# Altium PCB GameBoard_V1I1_Phase1.PcbDoc (part 10 of 18)
Units mm, origin at the board's own origin, x right, y up, seen from the top; angles counter-clockwise.
Board outline 182 x 70.2 mm, 12 copper layers (L1, L2, L3, L4, L5 (PWR), L6 (PWR), L7 (PWR), L8 (PWR), L9, L10, L11, L12), stack 2.079 mm thick; 1542 components, 1068 nets, 5447 pads, 3805 vias.
Unrouted connection lines stored in the file: 2.
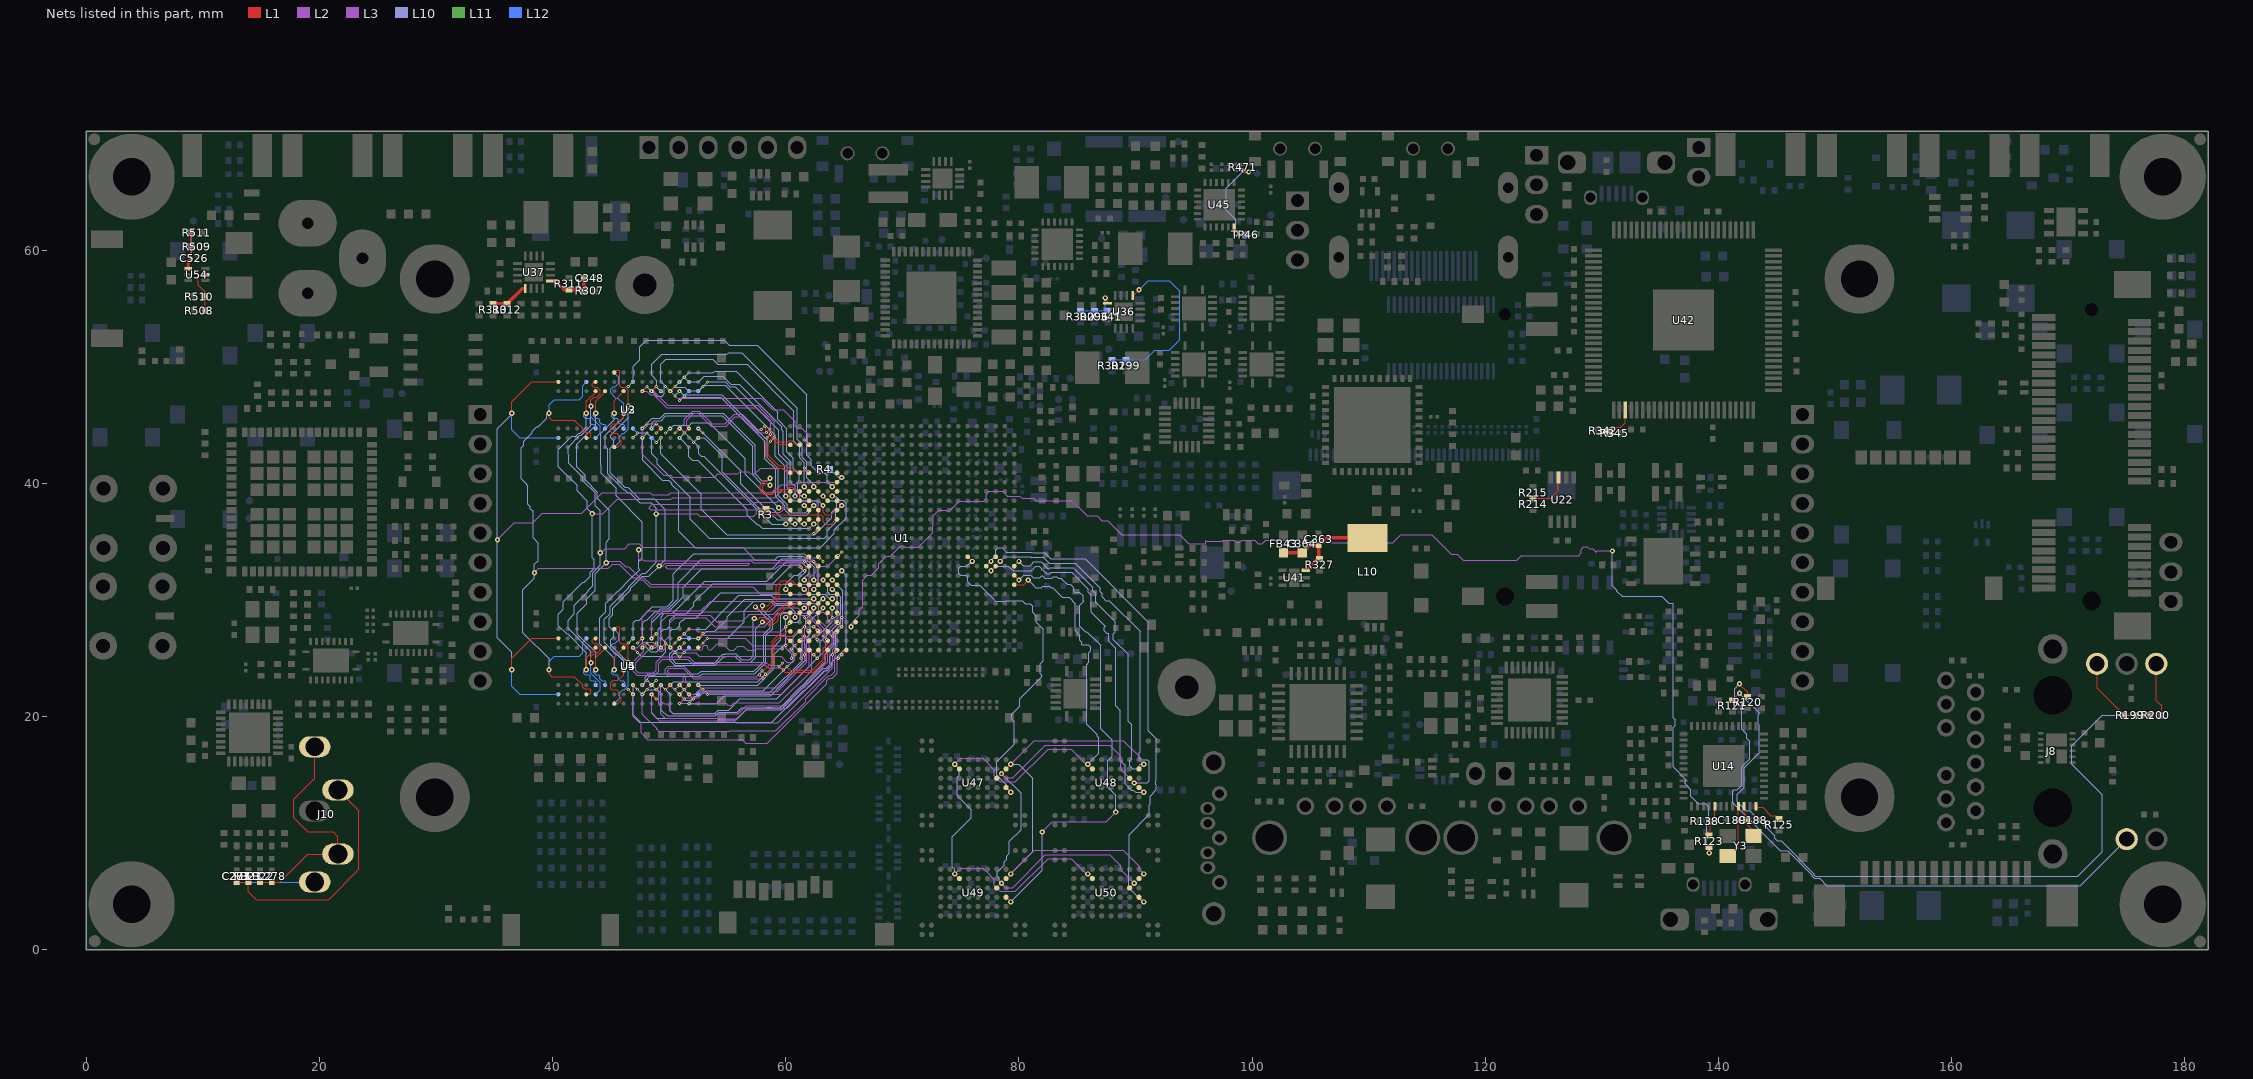
[diagram p20: the nets of this part, all layers, seen from the top]

## Via types
v1: diameter 0.45, hole 0.2, L1 to L12, 1937 vias
v2: diameter 0.45, hole 0.2, L1 to L12, tented both sides, 1004 vias
v3: diameter 0.27, hole 0.1, L1 to L2, 337 vias
v4: diameter 0.27, hole 0.1, L2 to L3, 335 vias
v5: diameter 0.27, hole 0.1, L10 to L11, 96 vias
v6: diameter 0.27, hole 0.1, L11 to L12, 94 vias
v7: diameter 0.27, hole 0.1, L3 to L5 (PWR), 2 vias

## Nets (pads, with @x,y where several pads share a name; then routed paths per layer and width w, separated by ;. In a path a pad name is that pad's centre, name@x,y a point inside that pad or via, vN(x,y) a via of type N, cw(c..) or ccw(c..) an arc to the next point about the centre after c; other vN are vias at no path point) (continued)
DRAM_D19: U1.Y9 U3.H3 | length 27.7
  L1 w0.093: U1.Y9@64.4,38.5 v2(64.8,38.1)
  L10 w0.093: v5(46.9,43.9) 47.35,44.35 48.075,44.35 48.528,43.897 48.528,42.546 49,42.075 49,41.625 51.813,38.813 51.813,36.913 53.45,35.275 63.3,35.275 63.571,35.546 63.571,35.921 64.3,36.65 64.3,37.6 v2(64.8,38.1)
  L11 w0.1: v5(46.9,43.9) v6(47.3,44.3)
  L12 w0.093: U3.H3@46.9,44.7 v6(47.3,44.3)
DRAM_D20: U1.Y7 U3.H8 | length 30.6
  L1 w0.093: v2(64,39.7) U1.Y7@64.4,40.1
  L10 w0.093: v5(46.9,48.7) 46.928,48.729 46.928,49.254 47,49.325 47,49.603 46.928,49.675 46.928,50.054 47.475,50.6 47.475,51.7 48.05,52.275 54.723,52.275 55.177,51.821 57.579,51.821 61.8,47.6 61.8,42.4 62.2,42 62.2,41.5 62.828,40.872 63.354,40.872 63.571,40.654 63.571,40.129 v2(64,39.7)
  L11 w0.1: v6(46.5,48.3) v5(46.9,48.7)
  L12 w0.093: v6(46.5,48.3) v5(46.9,48.7)
DRAM_D21: U1.Y8 U3.G2 | length 30.2
  L1 w0.093: v2(64,38.9) U1.Y8@64.4,39.3
  L10 w0.093: v5(47.7,43.9) 47.728,43.871 47.728,41.972 49.429,40.271 49.979,40.271 50.247,40.004 50.247,39.878 50.825,39.3 50.825,35.9 52.25,34.475 62.95,34.475 64.175,35.7 64.175,36 65.172,36.997 65.172,38.254 64.897,38.529 64.646,38.529 64.325,38.85 64.05,38.85 v2(64,38.9)
  L11 w0.1: v5(47.7,43.9) v6(48.1,44.3)
  L12 w0.093: v5(47.7,43.9) v6(48.1,44.3)
DRAM_D22: U1.AC8 U3.F7 | length 26
  L1 w0.093: v2(61.6,39.7) U1.AC8@62,39.3
  L10 w0.093: v5(48.5,47.9) 48.925,47.475 49.4,47.475 49.6,47.675 49.6,48.45 49.3,48.75 49.3,50.225 49.725,50.65 53.725,50.65 54.175,50.2 56.7,50.2 60.7,46.2 60.7,43.6 61.207,43.093 61.207,42.174 61.6,41.781 v2(61.6,39.7)
  L11 w0.1: v6(48.1,48.3) v5(48.5,47.9)
  L12 w0.093: v6(48.1,48.3) v5(48.5,47.9)
DRAM_D23: U1.AA9 U3.F2 | length 24.8
  L1 w0.093: v2(63.2,38.9) U1.AA9@63.6,38.5
  L10 w0.093: v5(49.3,43.9) 49.3,42.55 52.775,39.075 52.775,37.775 54.95,35.6 62.5,35.6 63.95,37.05 63.95,37.523 64.372,37.944 64.372,38.303 64.175,38.5 63.6,38.5 v2(63.2,38.9)
  L11 w0.1: v6(48.9,43.5) v5(49.3,43.9)
  L12 w0.093: U3.F2@48.5,43.9 v6(48.9,43.5)
DRAM_D24: U1.AE9 U3.D7 | length 18.5
  L1 w0.093: v2(60,38.9) U1.AE9@60.4,38.5
  L10 w0.093: v5(50.1,47.9) 50.45,48.25 51.325,48.25 51.646,47.929 52.554,47.929 53.025,48.4 54.829,48.4 59.1,44.129 59.1,42.3 59.914,41.486 59.914,38.986 v2(60,38.9)
  L11 w0.1: v6(49.7,48.3) v5(50.1,47.9)
  L12 w0.093: v6(49.7,48.3) v5(50.1,47.9)
DRAM_D25: U1.Y10 U3.A7 | length 20.3
  L1 w0.093: v2(63.2,38.1) 63.2,37.5 63.4,37.3 63.9,37.3 64.3,37.7 U1.Y10@64.4,37.7
  L10 w0.093: v5(53.3,48.7) 54.802,48.7 55.22,48.282 55.668,48.282 59.4,44.55 59.4,42.5 60.15,41.75 60.15,39.675 60.4,39.425 60.4,38.775 60.675,38.5 62.8,38.5 v2(63.2,38.1)
  L11 w0.1: v6(52.9,48.3) v5(53.3,48.7)
  L12 w0.093: U3.A7@52.5,47.9 v6(52.9,48.3)
DRAM_D26: U1.AE11 U3.C3 | length 14.5
  L1 w0.093: v2(60,36.5) U1.AE11@60.4,36.9
  L10 w0.093: v5(50.9,44.7) 50.95,44.7 52.525,43.125 52.525,42.775 52.528,42.772 52.528,42.546 52.746,42.329 52.972,42.329 58.8,36.5 v2(60,36.5)
  L11 w0.1: v6(50.5,44.3) v5(50.9,44.7)
  L12 w0.093: v6(50.5,44.3) v5(50.9,44.7)
DRAM_D27: U1.AB11 U3.C2 | length 17.3
  L1 w0.093: v2(62.4,36.5) U1.AB11@62.8,36.9
  L10 w0.093: v5(50.9,43.9) 51.7,43.1 51.7,42.275 52,41.975 52.45,41.975 56.7,37.725 56.7,37.275 57.546,36.428 57.672,36.428 57.975,36.125 62.025,36.125 v2(62.4,36.5)
  L11 w0.1: v5(50.9,43.9) v6(51.3,44.3)
  L12 w0.093: v5(50.9,43.9) v6(51.3,44.3)
DRAM_D28: U1.AC9 U3.C8 | length 20.4
  L1 w0.093: v2(61.6,38.9) U1.AC9@62,38.5
  L10 w0.093: v5(50.9,48.7) 51.675,49.475 53.75,49.475 53.897,49.622 55.779,49.622 59.3,46.1 59.3,45.475 60.1,44.675 60.1,42.7 60.646,42.154 60.646,41.31 61.175,40.782 61.175,40.3 61.025,40.15 61.025,39.2 61.325,38.9 v2(61.6,38.9)
  L11 w0.1: v6(50.5,48.3) v5(50.9,48.7)
  L12 w0.093: v6(50.5,48.3) v5(50.9,48.7)
DRAM_D29: U1.AD9 U3.B8 | length 18.1
  L1 w0.093: v2(60.8,38.9) U1.AD9@61.2,38.5
  L10 w0.093: v5(51.7,48.7) 52.525,48.7 53,49.175 54.6,49.175 55.3,48.475 56.027,48.475 59.653,44.849 59.653,44.576 59.8,44.429 59.8,42.5 60.4,41.9 60.4,40.125 60.8,39.725 v2(60.8,38.9)
  L11 w0.1: v6(51.3,49.1) v5(51.7,48.7)
  L12 w0.093: v6(51.3,49.1) v5(51.7,48.7)
DRAM_D30: U1.AD11 U3.A2 | length 13.9
  L1 w0.093: v2(60.8,36.5) U1.AD11@61.2,36.9
  L10 w0.093: v5(52.5,43.9) 53.025,43.9 54.575,42.35 54.575,40.998 58.223,37.35 58.775,37.35 59.253,36.872 60.154,36.872 60.525,36.5 v2(60.8,36.5)
  L11 w0.1: v6@52.1,43.5 v5(52.5,43.9)
  L12 w0.093: v6(52.1,43.5) v5(52.5,43.9)
DRAM_D31: U1.AC11 U3.A3 | length 14.9
  L1 w0.093: v2(61.6,36.5) U1.AC11@62,36.9
  L10 w0.093: v5(52.5,44.7) 56.125,41.075 56.125,39.95 58.225,37.85 58.85,37.85 59.635,37.065 60.761,37.065 61.325,36.5 v2(61.6,36.5)
  L11 w0.1: v5(52.5,44.7) v6(52.9,44.3)
  L12 w0.093: v5(52.5,44.7) v6(52.9,44.3)
DRAM_D32: U1.AA17 U5.E3 | length 27.1
  L1 w0.093: v2(63.2,31.7) U1.AA17@63.6,32.1
  L10 w0.093: v5(49.3,22.7) 50.1,21.9 50.1,20.475 50.3,20.275 53.929,20.275 54.197,20.543 55.118,20.543 56.075,21.5 59.212,21.5 62.975,25.263 62.975,26.4 64.425,27.85 64.425,30.25 64.175,30.5 63.775,30.5 63.6,30.675 63.6,31.3 v2(63.2,31.7)
  L11 w0.1: v6(48.9,22.3) v5(49.3,22.7)
  L12 w0.093: v6(48.9,22.3) v5(49.3,22.7)
DRAM_D33: U1.AA18 U5.G2 | length 28.3
  L1 w0.093: U1.AA18@63.6,31.3 v2(64,30.9)
  L10 w0.093: v5(47.7,21.9) 48.075,22.275 49,22.275 49.325,21.95 49.325,20.55 49.825,20.05 53.977,20.05 54.277,20.35 55.825,20.35 56.243,20.768 58.397,20.768 58.403,20.775 58.797,20.775 58.803,20.768 59.519,20.768 61.395,22.644 61.427,22.644 61.817,23.034 61.817,23.063 63.4,24.646 63.4,25.4 64.1,26.1 64.1,27.246 64.707,27.853 64.707,30.243 64.05,30.9 v2(64,30.9)
  L11 w0.1: v5(47.7,21.9) v6(48.1,22.3)
  L12 w0.093: v5(47.7,21.9) v6(48.1,22.3)
DRAM_D34: U1.AC18 U5.F8 | length 20.9
  L1 w0.093: v2(61.6,31.7) U1.AC18@62,31.3
  L10 w0.093: v5(48.5,26.7) 48.528,26.728 48.528,28.054 49.514,29.039 49.985,29.039 51.2,30.254 51.2,31.075 52.8,32.675 58.825,32.675 59.675,33.525 61.4,33.525 62,32.925 62,32.294 61.6,31.894 v2(61.6,31.7)
  L11 w0.1: v5(48.5,26.7) v6(48.9,27.1)
  L12 w0.093: v5(48.5,26.7) v6(48.9,27.1)
DRAM_D35: U1.AE19 U5.H7 | length 24.5
  L1 w0.093: v2(60,30.9) U1.AE19@60.4,30.5
  L10 w0.093: v5(46.9,25.9) 47.625,25.175 49.35,25.175 49.725,25.55 49.725,26.325 49.328,26.722 49.328,27.254 49.546,27.472 49.797,27.472 50.071,27.746 50.071,28.25 50.646,28.825 51.475,28.825 52.129,29.479 52.129,29.8 53.728,31.4 58.9,31.4 60.525,33.025 61.15,33.025 61.4,32.775 61.4,32.45 61.078,32.128 60.753,32.128 60,31.375 v2(60,30.9)
  L11 w0.1: v5(46.9,25.9) v6(47.3,25.5)
  L12 w0.093: v5(46.9,25.9) v6(47.3,25.5)
DRAM_D36: U1.Y17 U5.H3 | length 32.5
  L1 w0.093: U1.Y17@64.4,32.1 v2(64.8,32.5)
  L10 w0.093: v5(46.9,22.7) 46.925,22.675 46.925,20.025 47.425,19.525 58.822,19.525 61.555,22.258 61.623,22.258 63.308,23.943 63.552,23.943 63.968,24.36 63.968,24.668 65.2,25.9 65.2,32.1 v2(64.8,32.5)
  L11 w0.1: v5(46.9,22.7) v6(47.3,22.3)
  L12 w0.093: v5(46.9,22.7) v6(47.3,22.3)
DRAM_D37: U1.Y18 U5.F2 | length 28.9
  L1 w0.093: v2(64,31.7) U1.Y18@64.4,31.3
  L10 w0.093: v5(48.5,21.9) 48.5,20.3 48.95,19.85 54.2,19.85 54.332,19.718 55.768,19.718 56.625,20.575 58.477,20.575 58.483,20.582 58.717,20.582 58.723,20.575 59.599,20.575 61.475,22.451 61.543,22.451 63.228,24.136 63.472,24.136 63.775,24.44 63.775,25.175 64.3,25.7 64.3,27.173 64.9,27.773 64.9,30.8 v2(64,31.7)
  L11 w0.1: v5(48.5,21.9) v6(48.9,21.5)
  L12 w0.093: v5(48.5,21.9) v6(48.9,21.5)
DRAM_D38: U1.AB19 U5.H8 | length 25.2
  L1 w0.093: v2(62.4,30.9) U1.AB19@62.8,30.5
  L10 w0.093: v5(46.9,26.7) 46.928,26.729 46.928,28.054 47.146,28.272 47.422,28.272 48.575,29.425 49.825,29.425 50.375,29.975 50.375,32.225 52.125,33.975 61.575,33.975 62.775,32.775 62.775,31.275 v2(62.4,30.9)
  L11 w0.1: v6(46.5,26.3) v5(46.9,26.7)
  L12 w0.093: v6(46.5,26.3) v5(46.9,26.7)
DRAM_D39: U1.AC19 U5.F7 | length 21.8
  L1 w0.093: v2(61.6,30.9) U1.AC19@62,30.5
  L10 w0.093: v5(48.5,25.9) 48.825,25.9 49.05,26.125 49.05,27.475 49.325,27.75 49.325,28.575 49.596,28.846 50.296,28.846 53.043,31.593 58.368,31.593 60.025,33.25 61.35,33.25 61.75,32.85 61.75,32.475 61.175,31.9 61.175,31.3 61.575,30.9 v2(61.6,30.9)
  L11 w0.1: v6(48.1,26.3) v5(48.5,25.9)
  L12 w0.093: v6(48.1,26.3) v5(48.5,25.9)
DRAM_D40: U1.Y19 U5.D7 | length 18.7
  L1 w0.093: v2(64,30.1) U1.Y19@64.4,30.5
  L10 w0.093: 59.504,30.471 63.354,30.471 63.725,30.1 v2(64,30.1)
  L10 w0.1: v5(50.1,25.9) 50.1,27.3 50.275,27.475 50.605,27.475 50.9,27.77 50.9,28.03 51.145,28.275 51.225,28.275 51.375,28.425 52.275,28.425 54.45,30.6 59.375,30.6 59.504,30.471
  L11 w0.1: v6(49.7,26.3) v5(50.1,25.9)
  L12 w0.093: v6(49.7,26.3) v5(50.1,25.9)
DRAM_D41: U1.AB20 U5.B8 | length 13.8
  L1 w0.093: v2(62.4,30.1) U1.AB20@62.8,29.7
  L10 w0.093: 57.25,30.4 58.75,30.4 59.05,30.1 v2(62.4,30.1)
  L10 w0.1: v5(51.7,27.5) 53.125,27.5 54.225,28.6 54.225,28.655 55.97,30.4 57.25,30.4
  L11 w0.1: v6(51.3,27.1) v5(51.7,27.5)
  L12 w0.093: v6(51.3,27.1) U5.B8@51.7,26.7
DRAM_D42: U1.AB21 U5.C2 | length 19.1
  L1 w0.093: U1.AB21@62.8,28.9 v2(63.2,29.3)
  L10 w0.093: v5(50.9,21.9) 50.9,21.875 51.393,21.382 51.85,21.382 52.204,21.735 52.334,21.735 52.623,22.025 58.652,22.025 61.425,24.798 61.425,26.425 62.1,27.1 62.1,28.2 v2(63.2,29.3)
  L11 w0.1: v5(50.9,21.9) v6(51.3,22.3)
  L12 w0.093: v5(50.9,21.9) v6(51.3,22.3)
DRAM_D43: U1.AD21 U5.A7 | length 11.9
  L1 w0.093: v2(60.8,28.5) U1.AD21@61.2,28.9
  L10 w0.093: v5(53.3,26.7) 53.322,26.721 55.046,26.721 56.45,28.125 56.45,29.075 57.247,29.872 58.706,29.872 59.042,29.535 60.215,29.535 60.8,28.95 v2(60.8,28.5)
  L11 w0.1: v6(52.9,26.3) v5(53.3,26.7)
  L12 w0.093: U5.A7@52.5,25.9 v6(52.9,26.3)
DRAM_D44: U1.Y20 U5.A2 | length 18.9
  L1 w0.093: v2(64,29.3) U1.Y20@64.4,29.7
  L10 w0.093: v5(51.7,21.1) 54.025,21.1 54.725,21.8 58.7,21.8 61.75,24.85 61.75,26.25 62.5,27 62.875,27 64,28.125 v2(64,29.3)
  L11 w0.1: v5(51.7,21.1) v6(52.1,21.5)
  L12 w0.093: v6(52.1,21.5) U5.A2@52.5,21.9
DRAM_D45: U1.AA20 U5.C8 | length 15.8
  L1 w0.093: v2(63.2,30.1) U1.AA20@63.6,29.7
  L10 w0.093: v5(50.9,26.7) 52.625,26.7 53.225,27.3 53.925,27.3 54.972,28.346 54.972,28.571 56.475,30.075 58.775,30.075 59.122,29.728 62.772,29.728 63.143,30.1 v2(63.2,30.1)
  L11 w0.1: v6(50.5,26.3) v5(50.9,26.7)
  L12 w0.093: v6(50.5,26.3) v5(50.9,26.7)
DRAM_D46: U1.AE21 U5.A3 | length 13.6
  L1 w0.093: v2(60,28.5) U1.AE21@60.4,28.9
  L10 w0.093: v5(52.5,22.7) 57.598,22.7 59.025,24.127 59.025,25.325 60,26.3 v2(60,28.5)
  L11 w0.1: v5(52.5,22.7) v6(52.9,22.3)
  L12 w0.093: v5(52.5,22.7) v6(52.9,22.3)
DRAM_D47: U1.AC21 U5.C3 | length 18.2
  L1 w0.093: U1.AC21@62,28.9 v2(62.4,29.3)
  L10 w0.093: v5(50.9,22.7) 51.7,21.9 52,21.9 52.028,21.928 52.254,21.928 52.543,22.218 58.068,22.218 60.65,24.8 60.65,26.8 61.7,27.85 61.7,28.35 62.4,29.05 v2(62.4,29.3)
  L11 w0.1: v6(50.5,22.3) v5(50.9,22.7)
  L12 w0.093: v6(50.5,22.3) v5(50.9,22.7)
DRAM_D48: U1.AC22 U4.D7 | length 19.5
  L1 w0.093: v3(49.7,22.3) v4(50.1,22.7) ; v3(61.6,28.5) U1.AC22@62,28.1
  L3 w0.1: v4(50.1,22.7) 51.185,21.615 52.485,21.615 52.745,21.875 52.75,21.875 53.06,22.185 53.418,22.185 53.478,22.125 59.275,22.125 61.812,24.662 61.812,25.592 61.625,25.779 61.625,26.678 61.415,26.888 61.415,27.601 61.9,28.086 v4(61.9,28.2)
  L2 w0.1: v3(49.7,22.3) v4(50.1,22.7) ; v3(61.6,28.5) v4(61.9,28.2)
DRAM_D49: U1.AE22 U4.C2 | length 12.2
  L1 w0.093: v4(50.9,26.7) v3(51.3,27.1) ; v3(60,27.7) U1.AE22@60.4,28.1
  L3 w0.1: v4(50.9,26.7) 51.675,27.475 52.255,27.475 52.455,27.275 59.575,27.275 v4(60.3,28)
  L2 w0.1: v4(50.9,26.7) v3(51.3,27.1) ; v3(60,27.7) v4(60.3,28)
DRAM_D50: U1.AE24 U4.C3 | length 12.3
  L1 w0.093: v4(50.9,25.9) v3(51.3,26.3) ; v3(60,26.1) U1.AE24@60.4,26.5
  L3 w0.1: v4(50.9,25.9) 51.075,25.725 52.825,25.725 52.9,25.8 52.9,26 53,26.1 53.2,26.1 53.3,26 53.3,25.8 53.375,25.725 53.625,25.725 54.125,26.225 54.605,26.225 55.155,25.675 55.525,25.675 55.875,26.025 56.375,26.025 56.725,25.675 57.3,25.675 57.425,25.8 v4(59.7,25.8)
  L2 w0.1: v4(50.9,25.9) v3(51.3,26.3) ; v4(59.7,25.8) v3(60,26.1)
DRAM_D51: U1.AC24 U4.B8 | length 15.2
  L1 w0.093: v4(51.7,21.9) v3(52.1,21.5) ; v3(61.6,26.9) U1.AC24@62,26.5
  L3 w0.1: v4(51.7,21.9) 52.23,21.9 52.805,22.475 59.3,22.475 61.612,24.787 61.612,25.509 61.425,25.696 61.425,26.475 v4(61.3,26.6)
  L2 w0.1: v4(51.7,21.9) v3(52.1,21.5) ; v4(61.3,26.6) v3(61.6,26.9)
DRAM_D52: U1.AB22 U4.A7 | length 16.5
  L1 w0.093: U4.A7@52.5,22.7 v3(52.9,22.3) ; v3(62.4,27.7) U1.AB22@62.8,28.1
  L3 w0.1: v4(53.3,21.9) 59.65,21.9 62.012,24.262 62.012,25.675 61.825,25.862 61.825,26.761 61.615,26.971 61.615,27.518 61.782,27.685 62.415,27.685 v4(62.7,27.4)
  L2 w0.1: v3(52.9,22.3) v4(53.3,21.9) ; v3(62.4,27.7) v4(62.7,27.4)
DRAM_D53: U1.AC23 U4.C8 | length 18.3
  L1 w0.093: U4.C8@50.9,21.9 v3(51.3,21.5) ; v3(61.6,27.7) U1.AC23@62,27.3
  L3 w0.1: v4(50.9,21.1) 50.925,21.125 54.895,21.125 55.045,20.975 55.355,20.975 55.555,21.175 59.45,21.175 62.212,23.937 62.212,25.758 62.025,25.945 62.025,27.275 v4(61.9,27.4)
  L2 w0.1: v4(50.9,21.1) v3(51.3,21.5) ; v3(61.6,27.7) v4(61.9,27.4)
DRAM_D54: U1.AD25 U4.A3 | length 10.3
  L1 w0.093: U4.A3@52.5,25.9 v3(52.9,26.3) ; v3(60.8,25.3) U1.AD25@61.2,25.7
  L3 w0.1: v4(53.3,26.7) 53.325,26.725 56.55,26.725 57.19,26.085 59.818,26.085 59.985,25.918 59.985,25.845 60.5,25.33 v4(60.5,25)
  L2 w0.1: v3(52.9,26.3) v4(53.3,26.7) ; v4(60.5,25) v3(60.8,25.3)
DRAM_D55: U1.AC25 U4.A2 | length 12.2
  L1 w0.093: v4(52.5,26.7) v3(52.9,27.1) ; v3(61.6,25.3) U1.AC25@62,25.7
  L3 w0.1: v4(52.5,26.7) 52.785,26.985 56.74,26.985 56.75,26.975 59.838,26.975 61.3,25.513 v4(61.3,25)
  L2 w0.1: v4(52.5,26.7) v3(52.9,27.1) ; v4(61.3,25) v3(61.6,25.3)
DRAM_D56: U1.AB25 U4.E3 | length 23
  L1 w0.093: v4(49.3,25.9) v3(49.7,26.3) ; v3(62.4,25.3) U1.AB25@62.8,25.7
  L3 w0.1: v4(49.3,25.9) 49.3,28.1 49.875,28.675 53.525,28.675 54.075,28.125 54.755,28.125 54.83,28.2 56.325,28.2 56.9,28.775 58.95,28.775 59.5,29.325 61.045,29.325 61.495,28.875 61.933,28.875 63.3,27.508 63.3,26.803 63.215,26.718 63.215,26.482 63.382,26.315 63.415,26.315 63.415,25.715 v4(62.7,25)
  L2 w0.1: v4(49.3,25.9) v3(49.7,26.3) ; v3(62.4,25.3) v4(62.7,25)
DRAM_D57: U1.AA21 U4.G2 | length 21.6
  L1 w0.093: v3(47.3,26.3) v4(47.7,26.7) ; U1.AA21@63.6,28.9 v3(64,28.5)
  L3 w0.1: v4(47.7,26.7) 47.7,28.575 48.2,29.075 52.726,29.075 53.551,29.9 62.07,29.9 62.245,29.725 62.505,29.725 62.825,29.405 62.825,29.145 63.045,28.925 63.275,28.925 63.325,28.875 63.355,28.875 63.575,28.655 63.575,28.625 63.625,28.575 63.625,28.275 v4(63.7,28.2)
  L2 w0.1: v3(47.3,26.3) v4(47.7,26.7) ; v4(63.7,28.2) v3(64,28.5)
DRAM_D58: U1.Y25 U4.H7 | length 26.2
  L1 w0.093: v4(46.9,22.7) v3(47.3,22.3) ; v3(64,25.3) U1.Y25@64.4,25.7
  L3 w0.1: v4(46.9,22.7) 47.675,21.925 47.675,20.2 47.7,20.2 48.925,18.975 48.925,18.895 49.095,18.725 55.195,18.725 55.245,18.775 59.15,18.775 60.175,19.8 60.217,19.8 61.7,21.283 61.7,21.513 63.662,23.475 63.85,23.475 64.204,23.829 64.204,24.364 64.215,24.376 64.215,25.118 64.3,25.203 v4(64.3,25.6)
  L2 w0.1: v4(46.9,22.7) v3(47.3,22.3) ; v3(64,25.3) v4(64.3,25.6)
  other v7: 46.9,22.7
DRAM_D59: U1.Y22 U4.F7 | length 25.6
  L1 w0.093: v3(48.1,22.3) v4(48.5,22.7) ; U1.Y22@64.4,28.1 v3(64.8,27.7)
  L3 w0.1: v4(48.5,22.7) 49.1,22.1 49.1,21.05 49.275,20.875 49.275,20.25 49.675,19.85 54.67,19.85 54.695,19.825 55.633,19.825 55.729,19.729 56.7,20.7 60.15,20.7 63.804,24.354 63.804,24.53 63.815,24.541 63.815,25.284 63.815,25.801 64.182,26.168 64.182,26.915 64.015,27.082 64.015,27.515 v4(64.5,28)
  L2 w0.1: v3(48.1,22.3) v4(48.5,22.7) ; v4(64.5,28) v3(64.8,27.7)
DRAM_D60: U1.AB23 U4.H3 | length 23.5
  L1 w0.093: v4(46.9,25.9) v3(47.3,25.5) ; v3(62.4,26.9) U1.AB23@62.8,27.3
  L3 w0.1: v4(46.9,25.9) 47.275,25.9 47.725,26.35 48.6,26.35 49.015,25.935 49.015,25.782 49.182,25.615 49.418,25.615 49.675,25.872 49.675,26.545 50.075,26.945 50.075,28.025 50.525,28.475 53.125,28.475 53.925,27.675 58.15,27.675 59.35,28.875 61.1,28.875 61.3,28.675 61.85,28.675 63.075,27.45 63.075,27.275 62.7,26.9 v4(62.7,26.6)
  L2 w0.1: v4(46.9,25.9) v3(47.3,25.5) ; v3(62.4,26.9) v4(62.7,26.6)
DRAM_D61: U1.AA23 U4.F2 | length 21.5
  L1 w0.093: v4(48.5,26.7) v3(48.9,27.1) ; v3(63.2,26.9) U1.AA23@63.6,27.3
  L3 w0.1: v4(48.5,26.7) 48.5,28.35 49.025,28.875 52.809,28.875 52.934,29 55.991,29 56.016,29.025 58.675,29.025 59.325,29.675 61.755,29.675 61.975,29.455 61.975,29.145 62.235,28.885 62.533,28.885 62.81,28.608 62.81,28.359 63.5,27.67 v4(63.5,26.6)
  L2 w0.1: v4(48.5,26.7) v3(48.9,27.1) ; v3(63.2,26.9) v4(63.5,26.6)
DRAM_D62: U1.Y23 U4.F8 | length 24.8
  L1 w0.093: v4(48.5,21.9) v3(48.9,21.5) ; v3(64,26.9) U1.Y23@64.4,27.3
  L3 w0.1: v4(48.5,21.9) 48.5,20.275 49.15,19.625 55.55,19.625 55.729,19.446 59.296,19.446 64.004,24.154 64.004,24.447 64.015,24.459 64.015,25.201 64.015,25.718 64.425,26.128 64.425,27.075 v4(64.3,27.2)
  L2 w0.1: v4(48.5,21.9) v3(48.9,21.5) ; v3(64,26.9) v4(64.3,27.2)
DRAM_D63: U1.W25 U4.H8 | length 26.8
  L1 w0.093: v3(46.5,22.3) v4(46.9,21.9) ; v3(64.8,25.3) U1.W25@65.2,25.7
  L3 w0.1: v4(46.9,21.9) 46.9,20.175 47.6,19.475 47.6,18.6 48.175,18.025 56.275,18.025 56.583,17.717 58.417,17.717 63.525,22.825 63.525,23.055 63.745,23.275 63.975,23.275 64.404,23.704 64.404,24.281 64.425,24.303 64.425,24.925 v4(64.5,25)
  L2 w0.1: v3(46.5,22.3) v4(46.9,21.9) ; v4(64.5,25) v3(64.8,25.3)
DRAM_DQM0: U1.AC3 U2.D3 | length 16.5
  L1 w0.093: v4(50.1,47.9) v3(50.5,48.3) ; v3(61.6,43.7) U1.AC3@62,43.3
  L3 w0.1: v4(50.1,47.9) 50.7,47.3 57.9,47.3 58.9,46.3 59.8,46.3 60.815,45.285 60.815,44.882 60.982,44.715 61.385,44.715 61.9,44.2 v4(61.9,43.4)
  L2 w0.1: v4(50.1,47.9) v3(50.5,48.3) ; v3(61.6,43.7) v4(61.9,43.4)
DRAM_DQM1: U1.AC6 U2.E7 | length 21.8
  L1 w0.093: v3(48.9,44.3) v4(49.3,44.7) ; v3(61.6,41.3) U1.AC6@62,40.9
  L3 w0.1: v4(49.3,44.7) 48.9,45.1 48.3,45.1 47.7,44.5 47.7,42.5 49.525,40.675 50.146,40.675 50.321,40.5 53.891,40.5 54.191,40.8 55.9,40.8 56.1,41 56.8,41 57,40.8 57.359,40.8 57.859,41.3 59.766,41.3 59.991,41.075 60.562,41.075 60.572,41.085 61.815,41.085 v4(61.9,41)
  L2 w0.1: v3(48.9,44.3) v4(49.3,44.7) ; v3(61.6,41.3) v4(61.9,41)
DRAM_DQM2: U1.AB8 U3.E7 | length 26.5
  L1 w0.093: v2(62.4,39.7) U1.AB8@62.8,39.3
  L10 w0.093: v5(49.3,47.9) 48.95,48.25 48.95,48.8 48.5,49.25 48.5,50.2 49.35,51.05 54.95,51.05 55.1,51.2 56.227,51.2 61,46.427 61,43.785 61.4,43.385 61.4,42.254 61.8,41.854 61.8,40.475 62.4,39.875 v2(62.4,39.7)
  L11 w0.1: v6(48.9,48.3) v5(49.3,47.9)
  L12 w0.093: v6(48.9,48.3) v5(49.3,47.9)
DRAM_DQM3: U1.AE10 U3.D3 | length 15.5
  L1 w0.093: v2(59.4,37.9) 60.2,37.9 U1.AE10@60.4,37.7
  L10 w0.093: v5(50.1,44.7) 50.381,44.982 51.757,44.982 51.95,45.175 53.45,45.175 56.525,42.1 56.525,40.775 v2(59.4,37.9)
  L11 w0.1: v6(49.7,44.3) v5(50.1,44.7)
  L12 w0.093: v6(49.7,44.3) v5(50.1,44.7)
DRAM_DQM4: U1.AB18 U5.E7 | length 24.9
  L1 w0.093: v2(62.4,31.7) U1.AB18@62.8,31.3
  L10 w0.093: v5(49.3,25.9) 48.95,25.55 48.42,25.55 47.728,26.242 47.728,28.054 47.946,28.272 48.072,28.272 48.8,29 49.05,29 49.282,29.232 49.905,29.232 50.774,30.101 50.774,31.474 52.725,33.425 59.075,33.425 59.375,33.725 61.525,33.725 62.457,32.793 62.457,31.757 v2(62.4,31.7)
  L11 w0.1: v6(48.9,26.3) v5(49.3,25.9)
  L12 w0.093: v6(48.9,26.3) v5(49.3,25.9)
DRAM_DQM5: U1.AC20 U5.D3 | length 19.5
  L1 w0.093: v2(61.6,29.3) U1.AC20@62,29.7
  L10 w0.093: v5(50.1,22.7) 50.382,22.982 52.617,22.982 52.623,22.975 57.6,22.975 58.825,24.2 58.825,25.825 59.575,26.575 59.575,28.7 59.825,28.95 60.175,28.95 60.4,28.725 60.4,28.3 60.6,28.1 61.025,28.1 61.25,28.325 61.25,28.95 v2(61.6,29.3)
  L11 w0.1: v6(49.7,22.3) v5(50.1,22.7)
  L12 w0.093: v6(49.7,22.3) v5(50.1,22.7)
DRAM_DQM6: U1.AD24 U4.D3 | length 14.5
  L1 w0.093: v4(50.1,25.9) v3(50.5,26.3) ; v3(60.8,26.1) U1.AD24@61.2,26.5
  L3 w0.1: v4(50.1,25.9) 50.55,25.45 52.275,25.45 52.575,25.15 59.62,25.15 60.105,24.665 60.6,24.665 60.785,24.85 60.785,25.328 60.5,25.613 v4(60.5,25.8)
  L2 w0.1: v4(50.1,25.9) v3(50.5,26.3) ; v4(60.5,25.8) v3(60.8,26.1)
DRAM_DQM7: U1.Y21 U4.E7 | length 24.9
  L1 w0.093: v3(48.9,22.3) v4(49.3,22.7) ; U1.Y21@64.4,28.9 v3(64.8,28.5)
  L3 w0.1: v4(49.3,22.7) 49.3,21.37 49.595,21.075 49.855,21.075 50.075,20.855 50.075,20.475 50.325,20.225 55.942,20.225 56.617,20.9 59.825,20.9 63.615,24.69 63.615,25.884 63.982,26.251 63.982,26.832 63.815,26.999 63.815,27.629 64.185,27.999 64.185,28.485 v4(64.5,28.8)
  L2 w0.1: v3(48.9,22.3) v4(49.3,22.7) ; v4(64.5,28.8) v3(64.8,28.5)
DRAM_DQS0_N: U1.AD3 U2.B7 | length 14.2
  L1 w0.093: v3(51.3,44.3) v4(51.7,44.7)
  L1 w0.1: v3(58.65,44.65) 58.65,44.335 59.185,43.801 59.185,43.798 59.433,43.55 60.155,43.55 60.255,43.65 60.545,43.65 60.895,43.3 U1.AD3@61.2,43.3
  L3 w0.1: v4(51.7,44.7) 51.5,44.9 51.5,45.4 52.1,46 52.517,46 53.617,44.9 54.883,44.9 55.683,45.7 56.2,45.7 57.585,44.315 58.315,44.315 v4(58.35,44.35)
  L2 w0.1: v3(51.3,44.3) v4(51.7,44.7) ; v4(58.35,44.35) v3(58.65,44.65)
DRAM_DQS0_P: U1.AE3 U2.C7 | length 13.8
  L1 w0.093: v3(50.5,44.3) v4(50.9,44.7)
  L1 w0.1: v3(58.2,44.9) 58.3,44.8 58.3,44.4 58.515,44.185 58.518,44.185 58.685,44.018 58.685,44.015 58.815,43.885 58.818,43.885 58.985,43.718 58.985,43.715 59.35,43.35 60.35,43.35 U1.AE3@60.4,43.3
  L3 w0.1: v4(50.9,44.7) 51.3,45.1 51.3,45.483 52.017,46.2 52.6,46.2 53.7,45.1 54.8,45.1 55.6,45.9 56.283,45.9 57.583,44.6 v4(57.9,44.6)
  L2 w0.1: v3(50.5,44.3) v4(50.9,44.7) ; v4(57.9,44.6) v3(58.2,44.9)
DRAM_DQS1_N: U1.AE6 U2.G3 | length 19